# KiCad board TKEEB.kicad_pcb
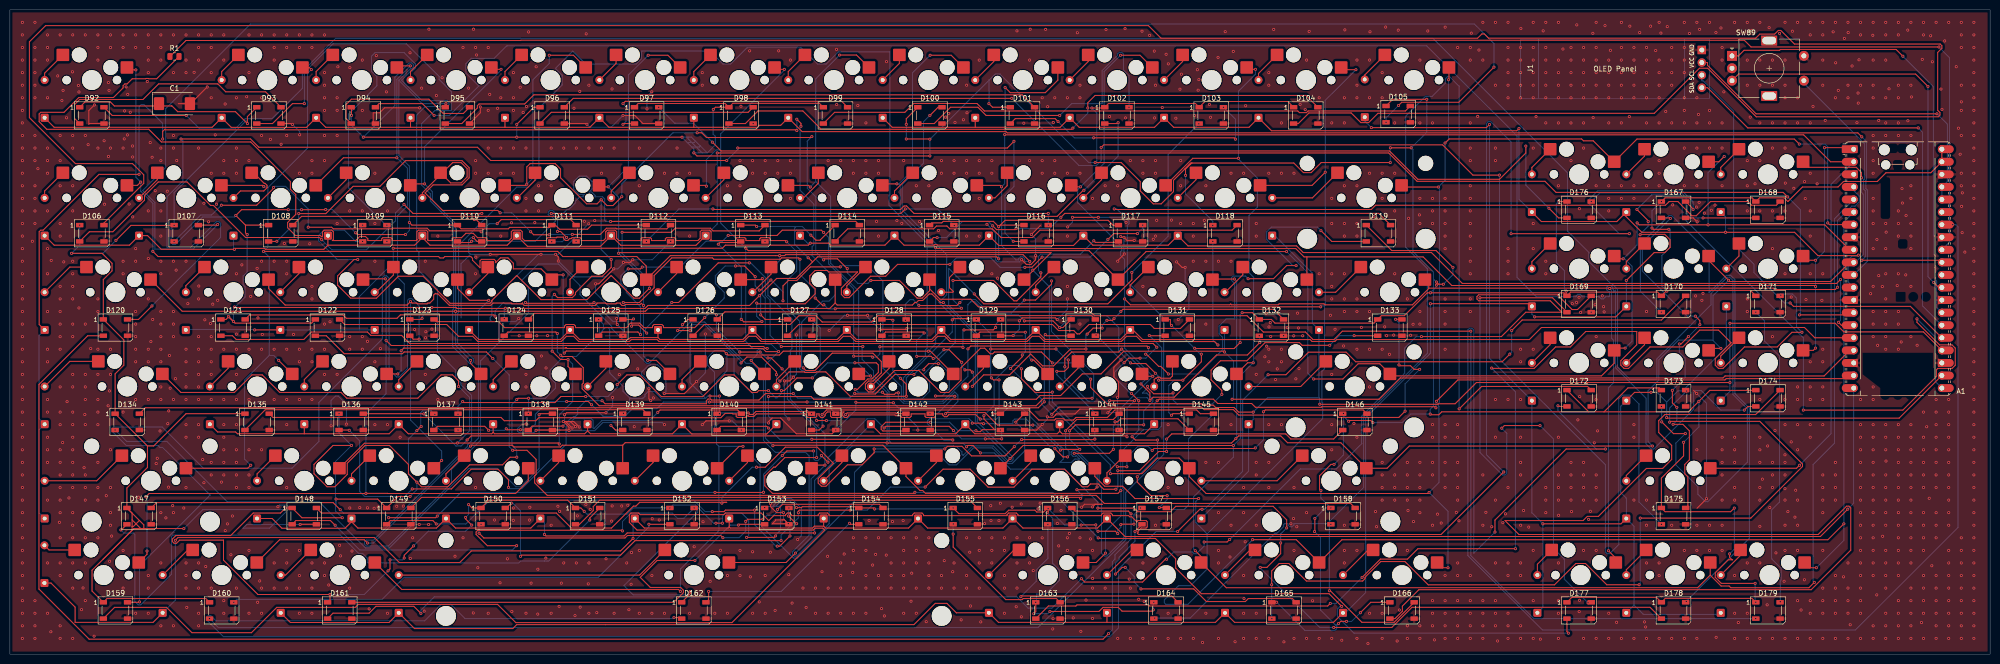
[diagram p0: board, top side]
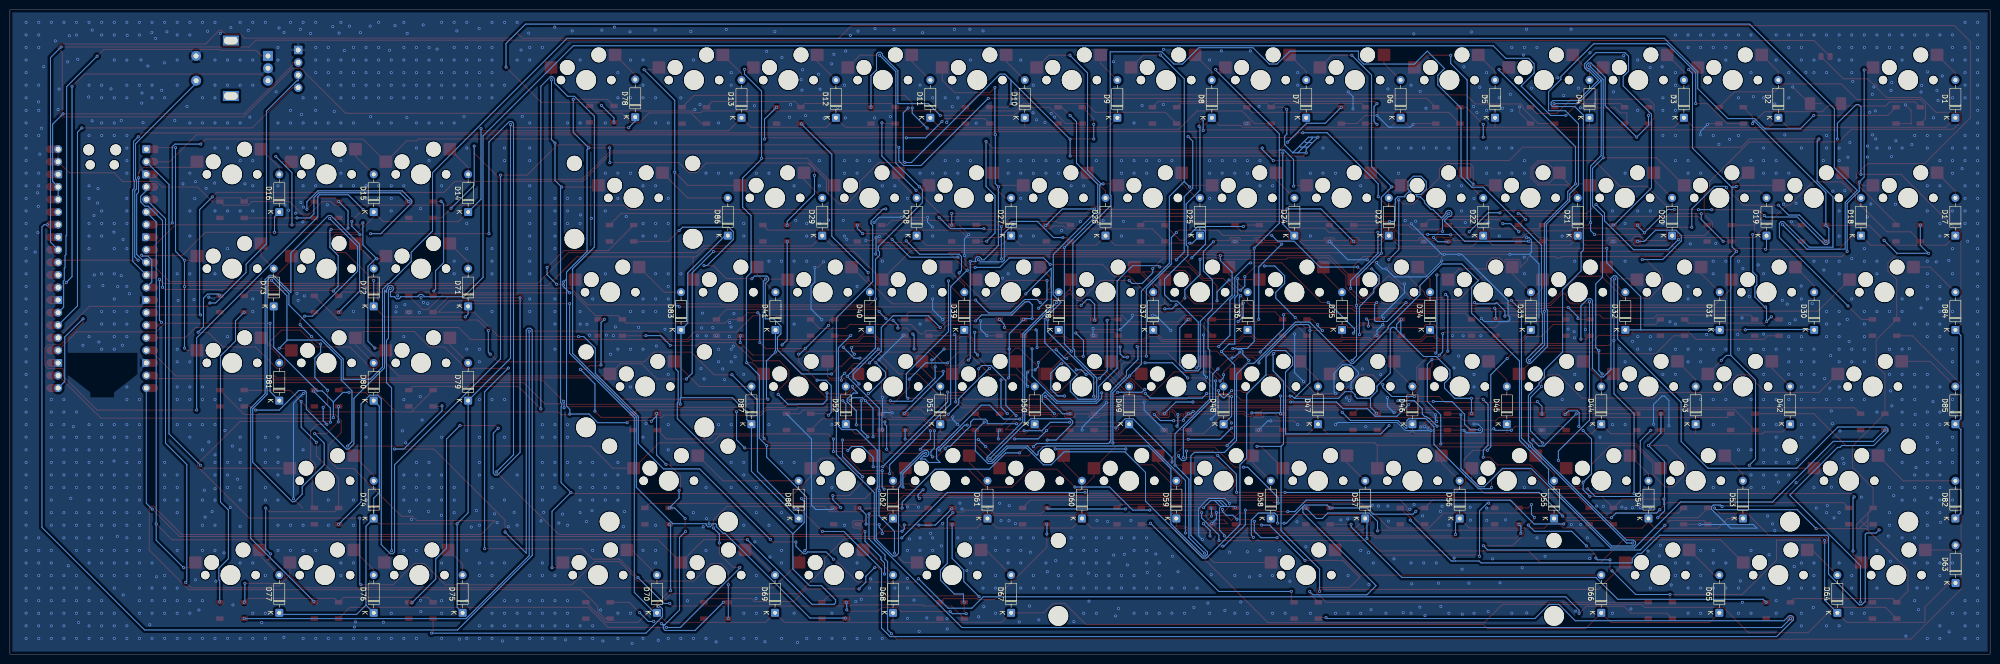
[diagram p1: board, bottom side, seen from below]

Outline 399.48 x 130.15 mm; copper layers: Top, Bottom. Coordinates in mm from the lower left corner of the outline.
Outline path: rectangle 0,130.15 399.48,0

## Placement (name value [footprint] x y rotation side)
A1  RaspberryPi_Pico  [RaspberryPi_Pico_Common_Unspecified]  380.86 77.88 0 top
C1  470uF  [CP_EIA-7343-31_Kemet-D]  33.2 111.21 0 top
D1  1N4148  [D_DO-35_SOD27_P7.62mm_Horizontal]  7 108.36 90 bottom
D2  1N4148  [D_DO-35_SOD27_P7.62mm_Horizontal]  42.72 108.36 90 bottom
D3  1N4148  [D_DO-35_SOD27_P7.62mm_Horizontal]  61.77 108.36 90 bottom
D4  1N4148  [D_DO-35_SOD27_P7.62mm_Horizontal]  80.82 108.36 90 bottom
D5  1N4148  [D_DO-35_SOD27_P7.62mm_Horizontal]  99.87 108.36 90 bottom
D6  1N4148  [D_DO-35_SOD27_P7.62mm_Horizontal]  118.92 108.36 90 bottom
D7  1N4148  [D_DO-35_SOD27_P7.62mm_Horizontal]  137.97 108.36 90 bottom
D8  1N4148  [D_DO-35_SOD27_P7.62mm_Horizontal]  157.02 108.36 90 bottom
D9  1N4148  [D_DO-35_SOD27_P7.62mm_Horizontal]  176.07 108.36 90 bottom
D10  1N4148  [D_DO-35_SOD27_P7.62mm_Horizontal]  194.74 108.36 90 bottom
D11  1N4148  [D_DO-35_SOD27_P7.62mm_Horizontal]  213.79 108.36 90 bottom
D12  1N4148  [D_DO-35_SOD27_P7.62mm_Horizontal]  232.84 108.36 90 bottom
D13  1N4148  [D_DO-35_SOD27_P7.62mm_Horizontal]  251.89 108.36 90 bottom
D14  1N4148  [D_DO-35_SOD27_P7.62mm_Horizontal]  307.04 89.31 90 bottom
D15  1N4148  [D_DO-35_SOD27_P7.62mm_Horizontal]  326.09 89.31 90 bottom
D16  1N4148  [D_DO-35_SOD27_P7.62mm_Horizontal]  345.14 89.31 90 bottom
D17  1N4148  [D_DO-35_SOD27_P7.62mm_Horizontal]  7 84.54 90 bottom
D18  1N4148  [D_DO-35_SOD27_P7.62mm_Horizontal]  26.05 84.54 90 bottom
D19  1N4148  [D_DO-35_SOD27_P7.62mm_Horizontal]  45.1 84.54 90 bottom
D20  1N4148  [D_DO-35_SOD27_P7.62mm_Horizontal]  64.15 84.54 90 bottom
D21  1N4148  [D_DO-35_SOD27_P7.62mm_Horizontal]  83.2 84.54 90 bottom
D22  1N4148  [D_DO-35_SOD27_P7.62mm_Horizontal]  102.25 84.54 90 bottom
D23  1N4148  [D_DO-35_SOD27_P7.62mm_Horizontal]  121.3 84.54 90 bottom
D24  1N4148  [D_DO-35_SOD27_P7.62mm_Horizontal]  140.35 84.54 90 bottom
D25  1N4148  [D_DO-35_SOD27_P7.62mm_Horizontal]  159.4 84.54 90 bottom
D26  1N4148  [D_DO-35_SOD27_P7.62mm_Horizontal]  178.45 84.54 90 bottom
D27  1N4148  [D_DO-35_SOD27_P7.62mm_Horizontal]  197.5 84.54 90 bottom
D28  1N4148  [D_DO-35_SOD27_P7.62mm_Horizontal]  216.55 84.54 90 bottom
D29  1N4148  [D_DO-35_SOD27_P7.62mm_Horizontal]  235.6 84.54 90 bottom
D30  1N4148  [D_DO-35_SOD27_P7.62mm_Horizontal]  35.49 65.49 90 bottom
D31  1N4148  [D_DO-35_SOD27_P7.62mm_Horizontal]  54.54 65.49 90 bottom
D32  1N4148  [D_DO-35_SOD27_P7.62mm_Horizontal]  73.59 65.49 90 bottom
D33  1N4148  [D_DO-35_SOD27_P7.62mm_Horizontal]  92.64 65.49 90 bottom
D34  1N4148  [D_DO-35_SOD27_P7.62mm_Horizontal]  112.99 65.49 90 bottom
D35  1N4148  [D_DO-35_SOD27_P7.62mm_Horizontal]  130.74 65.49 90 bottom
D36  1N4148  [D_DO-35_SOD27_P7.62mm_Horizontal]  149.79 65.49 90 bottom
D37  1N4148  [D_DO-35_SOD27_P7.62mm_Horizontal]  168.84 65.49 90 bottom
D38  1N4148  [D_DO-35_SOD27_P7.62mm_Horizontal]  187.89 65.49 90 bottom
D39  1N4148  [D_DO-35_SOD27_P7.62mm_Horizontal]  206.94 65.49 90 bottom
D40  1N4148  [D_DO-35_SOD27_P7.62mm_Horizontal]  225.99 65.49 90 bottom
D41  1N4148  [D_DO-35_SOD27_P7.62mm_Horizontal]  245.04 65.49 90 bottom
D42  1N4148  [D_DO-35_SOD27_P7.62mm_Horizontal]  40.34 46.44 90 bottom
D43  1N4148  [D_DO-35_SOD27_P7.62mm_Horizontal]  59.39 46.44 90 bottom
D44  1N4148  [D_DO-35_SOD27_P7.62mm_Horizontal]  78.44 46.44 90 bottom
D45  1N4148  [D_DO-35_SOD27_P7.62mm_Horizontal]  97.49 46.44 90 bottom
D46  1N4148  [D_DO-35_SOD27_P7.62mm_Horizontal]  116.54 46.44 90 bottom
D47  1N4148  [D_DO-35_SOD27_P7.62mm_Horizontal]  135.59 46.44 90 bottom
D48  1N4148  [D_DO-35_SOD27_P7.62mm_Horizontal]  154.64 46.44 90 bottom
D49  1N4148  [D_DO-35_SOD27_P7.62mm_Horizontal]  173.69 46.44 90 bottom
D50  1N4148  [D_DO-35_SOD27_P7.62mm_Horizontal]  192.74 46.44 90 bottom
D51  1N4148  [D_DO-35_SOD27_P7.62mm_Horizontal]  211.79 46.44 90 bottom
D52  1N4148  [D_DO-35_SOD27_P7.62mm_Horizontal]  230.84 46.44 90 bottom
D53  1N4148  [D_DO-35_SOD27_P7.62mm_Horizontal]  49.86 27.39 90 bottom
D54  1N4148  [D_DO-35_SOD27_P7.62mm_Horizontal]  68.91 27.39 90 bottom
D55  1N4148  [D_DO-35_SOD27_P7.62mm_Horizontal]  87.96 27.39 90 bottom
D56  1N4148  [D_DO-35_SOD27_P7.62mm_Horizontal]  107.01 27.39 90 bottom
D57  1N4148  [D_DO-35_SOD27_P7.62mm_Horizontal]  126.06 27.39 90 bottom
D58  1N4148  [D_DO-35_SOD27_P7.62mm_Horizontal]  145.11 27.39 90 bottom
D59  1N4148  [D_DO-35_SOD27_P7.62mm_Horizontal]  164.16 27.39 90 bottom
D60  1N4148  [D_DO-35_SOD27_P7.62mm_Horizontal]  183.21 27.39 90 bottom
D61  1N4148  [D_DO-35_SOD27_P7.62mm_Horizontal]  202.26 27.39 90 bottom
D62  1N4148  [D_DO-35_SOD27_P7.62mm_Horizontal]  221.31 27.39 90 bottom
D63  1N4148  [D_DO-35_SOD27_P7.62mm_Horizontal]  6.96 14.36 90 bottom
D64  1N4148  [D_DO-35_SOD27_P7.62mm_Horizontal]  30.81 8.34 90 bottom
D65  1N4148  [D_DO-35_SOD27_P7.62mm_Horizontal]  54.63 8.34 90 bottom
D66  1N4148  [D_DO-35_SOD27_P7.62mm_Horizontal]  78.44 8.34 90 bottom
D67  1N4148  [D_DO-35_SOD27_P7.62mm_Horizontal]  197.5 8.34 90 bottom
D68  1N4148  [D_DO-35_SOD27_P7.62mm_Horizontal]  221.31 8.34 90 bottom
D69  1N4148  [D_DO-35_SOD27_P7.62mm_Horizontal]  245.13 8.34 90 bottom
D70  1N4148  [D_DO-35_SOD27_P7.62mm_Horizontal]  268.94 8.34 90 bottom
D71  1N4148  [D_DO-35_SOD27_P7.62mm_Horizontal]  307.04 70.26 90 bottom
D72  1N4148  [D_DO-35_SOD27_P7.62mm_Horizontal]  326.09 70.26 90 bottom
D73  1N4148  [D_DO-35_SOD27_P7.62mm_Horizontal]  346.26 70.26 90 bottom
D74  1N4148  [D_DO-35_SOD27_P7.62mm_Horizontal]  326.09 27.39 90 bottom
D75  1N4148  [D_DO-35_SOD27_P7.62mm_Horizontal]  308.15 8.34 90 bottom
D76  1N4148  [D_DO-35_SOD27_P7.62mm_Horizontal]  326.09 8.34 90 bottom
D77  1N4148  [D_DO-35_SOD27_P7.62mm_Horizontal]  345.14 8.34 90 bottom
D78  1N4148  [D_DO-35_SOD27_P7.62mm_Horizontal]  273.32 108.48 90 bottom
D79  1N4148  [D_DO-35_SOD27_P7.62mm_Horizontal]  307.04 51.21 90 bottom
D80  1N4148  [D_DO-35_SOD27_P7.62mm_Horizontal]  326.09 51.21 90 bottom
D81  1N4148  [D_DO-35_SOD27_P7.62mm_Horizontal]  345.14 51.21 90 bottom
D82  1N4148  [D_DO-35_SOD27_P7.62mm_Horizontal]  7 27.39 90 bottom
D83  1N4148  [D_DO-35_SOD27_P7.62mm_Horizontal]  264.09 65.49 90 bottom
D84  1N4148  [D_DO-35_SOD27_P7.62mm_Horizontal]  7 65.49 90 bottom
D85  1N4148  [D_DO-35_SOD27_P7.62mm_Horizontal]  7 46.44 90 bottom
D86  1N4148  [D_DO-35_SOD27_P7.62mm_Horizontal]  254.65 84.54 90 bottom
D87  1N4148  [D_DO-35_SOD27_P7.62mm_Horizontal]  249.89 46.44 90 bottom
D88  1N4148  [D_DO-35_SOD27_P7.62mm_Horizontal]  240.36 27.39 90 bottom
D92  WS2812B  [LED_WS2812B_PLCC4_5.0x5.0mm_P3.2mm]  16.53 108.83 0 top
D93  WS2812B  [LED_WS2812B_PLCC4_5.0x5.0mm_P3.2mm]  52.24 108.83 0 top
D94  WS2812B  [LED_WS2812B_PLCC4_5.0x5.0mm_P3.2mm]  71.29 108.83 0 top
D95  WS2812B  [LED_WS2812B_PLCC4_5.0x5.0mm_P3.2mm]  90.28 108.83 0 top
D96  WS2812B  [LED_WS2812B_PLCC4_5.0x5.0mm_P3.2mm]  109.4 108.83 0 top
D97  WS2812B  [LED_WS2812B_PLCC4_5.0x5.0mm_P3.2mm]  128.44 108.83 0 top
D98  WS2812B  [LED_WS2812B_PLCC4_5.0x5.0mm_P3.2mm]  147.5 108.83 0 top
D99  WS2812B  [LED_WS2812B_PLCC4_5.0x5.0mm_P3.2mm]  166.54 108.83 0 top
D100  WS2812B  [LED_WS2812B_PLCC4_5.0x5.0mm_P3.2mm]  185.59 108.83 0 top
D101  WS2812B  [LED_WS2812B_PLCC4_5.0x5.0mm_P3.2mm]  204.27 108.83 0 top
D102  WS2812B  [LED_WS2812B_PLCC4_5.0x5.0mm_P3.2mm]  223.32 108.83 0 top
D103  WS2812B  [LED_WS2812B_PLCC4_5.0x5.0mm_P3.2mm]  242.37 108.83 0 top
D104  WS2812B  [LED_WS2812B_PLCC4_5.0x5.0mm_P3.2mm]  261.42 108.83 0 top
D105  WS2812B  [LED_WS2812B_PLCC4_5.0x5.0mm_P3.2mm]  280.07 109.09 0 top
D106  WS2812B  [LED_WS2812B_PLCC4_5.0x5.0mm_P3.2mm]  16.53 85.02 0 top
D107  WS2812B  [LED_WS2812B_PLCC4_5.0x5.0mm_P3.2mm]  35.58 85.02 0 top
D108  WS2812B  [LED_WS2812B_PLCC4_5.0x5.0mm_P3.2mm]  54.63 85.02 0 top
D109  WS2812B  [LED_WS2812B_PLCC4_5.0x5.0mm_P3.2mm]  73.61 85.02 0 top
D110  WS2812B  [LED_WS2812B_PLCC4_5.0x5.0mm_P3.2mm]  92.73 85.02 0 top
D111  WS2812B  [LED_WS2812B_PLCC4_5.0x5.0mm_P3.2mm]  111.78 85.02 0 top
D112  WS2812B  [LED_WS2812B_PLCC4_5.0x5.0mm_P3.2mm]  130.83 85.02 0 top
D113  WS2812B  [LED_WS2812B_PLCC4_5.0x5.0mm_P3.2mm]  149.88 85.02 0 top
D114  WS2812B  [LED_WS2812B_PLCC4_5.0x5.0mm_P3.2mm]  168.93 85.02 0 top
D115  WS2812B  [LED_WS2812B_PLCC4_5.0x5.0mm_P3.2mm]  187.98 85.02 0 top
D116  WS2812B  [LED_WS2812B_PLCC4_5.0x5.0mm_P3.2mm]  207.03 85.02 0 top
D117  WS2812B  [LED_WS2812B_PLCC4_5.0x5.0mm_P3.2mm]  226.08 85.02 0 top
D118  WS2812B  [LED_WS2812B_PLCC4_5.0x5.0mm_P3.2mm]  245.13 85.02 0 top
D119  WS2812B  [LED_WS2812B_PLCC4_5.0x5.0mm_P3.2mm]  276.08 85.02 0 top
D120  WS2812B  [LED_WS2812B_PLCC4_5.0x5.0mm_P3.2mm]  21.29 65.97 0 top
D121  WS2812B  [LED_WS2812B_PLCC4_5.0x5.0mm_P3.2mm]  45.02 65.97 0 top
D122  WS2812B  [LED_WS2812B_PLCC4_5.0x5.0mm_P3.2mm]  64.07 65.97 0 top
D123  WS2812B  [LED_WS2812B_PLCC4_5.0x5.0mm_P3.2mm]  83.12 65.97 0 top
D124  WS2812B  [LED_WS2812B_PLCC4_5.0x5.0mm_P3.2mm]  102.17 65.97 0 top
D125  WS2812B  [LED_WS2812B_PLCC4_5.0x5.0mm_P3.2mm]  121.22 65.97 0 top
D126  WS2812B  [LED_WS2812B_PLCC4_5.0x5.0mm_P3.2mm]  140.27 65.97 0 top
D127  WS2812B  [LED_WS2812B_PLCC4_5.0x5.0mm_P3.2mm]  159.32 65.97 0 top
D128  WS2812B  [LED_WS2812B_PLCC4_5.0x5.0mm_P3.2mm]  178.37 65.97 0 top
D129  WS2812B  [LED_WS2812B_PLCC4_5.0x5.0mm_P3.2mm]  197.42 65.97 0 top
D130  WS2812B  [LED_WS2812B_PLCC4_5.0x5.0mm_P3.2mm]  216.53 65.97 0 top
D131  WS2812B  [LED_WS2812B_PLCC4_5.0x5.0mm_P3.2mm]  235.52 65.97 0 top
D132  WS2812B  [LED_WS2812B_PLCC4_5.0x5.0mm_P3.2mm]  254.5 65.97 0 top
D133  WS2812B  [LED_WS2812B_PLCC4_5.0x5.0mm_P3.2mm]  278.38 65.97 0 top
D134  WS2812B  [LED_WS2812B_PLCC4_5.0x5.0mm_P3.2mm]  23.67 46.92 0 top
D135  WS2812B  [LED_WS2812B_PLCC4_5.0x5.0mm_P3.2mm]  49.86 46.92 0 top
D136  WS2812B  [LED_WS2812B_PLCC4_5.0x5.0mm_P3.2mm]  68.84 46.92 0 top
D137  WS2812B  [LED_WS2812B_PLCC4_5.0x5.0mm_P3.2mm]  87.96 46.92 0 top
D138  WS2812B  [LED_WS2812B_PLCC4_5.0x5.0mm_P3.2mm]  107.01 46.92 0 top
D139  WS2812B  [LED_WS2812B_PLCC4_5.0x5.0mm_P3.2mm]  126.06 46.92 0 top
D140  WS2812B  [LED_WS2812B_PLCC4_5.0x5.0mm_P3.2mm]  145.11 46.92 0 top
D141  WS2812B  [LED_WS2812B_PLCC4_5.0x5.0mm_P3.2mm]  164.16 46.92 0 top
D142  WS2812B  [LED_WS2812B_PLCC4_5.0x5.0mm_P3.2mm]  183.21 46.92 0 top
D143  WS2812B  [LED_WS2812B_PLCC4_5.0x5.0mm_P3.2mm]  202.26 46.92 0 top
D144  WS2812B  [LED_WS2812B_PLCC4_5.0x5.0mm_P3.2mm]  221.31 46.92 0 top
D145  WS2812B  [LED_WS2812B_PLCC4_5.0x5.0mm_P3.2mm]  240.36 46.92 0 top
D146  WS2812B  [LED_WS2812B_PLCC4_5.0x5.0mm_P3.2mm]  271.32 46.92 0 top
D147  WS2812B  [LED_WS2812B_PLCC4_5.0x5.0mm_P3.2mm]  26.05 27.87 0 top
D148  WS2812B  [LED_WS2812B_PLCC4_5.0x5.0mm_P3.2mm]  59.39 27.87 0 top
D149  WS2812B  [LED_WS2812B_PLCC4_5.0x5.0mm_P3.2mm]  78.44 27.87 0 top
D150  WS2812B  [LED_WS2812B_PLCC4_5.0x5.0mm_P3.2mm]  97.49 27.87 0 top
D151  WS2812B  [LED_WS2812B_PLCC4_5.0x5.0mm_P3.2mm]  116.54 27.87 0 top
D152  WS2812B  [LED_WS2812B_PLCC4_5.0x5.0mm_P3.2mm]  135.59 27.87 0 top
D153  WS2812B  [LED_WS2812B_PLCC4_5.0x5.0mm_P3.2mm]  154.71 27.87 0 top
D154  WS2812B  [LED_WS2812B_PLCC4_5.0x5.0mm_P3.2mm]  173.69 27.87 0 top
D155  WS2812B  [LED_WS2812B_PLCC4_5.0x5.0mm_P3.2mm]  192.74 27.87 0 top
D156  WS2812B  [LED_WS2812B_PLCC4_5.0x5.0mm_P3.2mm]  211.79 27.87 0 top
D157  WS2812B  [LED_WS2812B_PLCC4_5.0x5.0mm_P3.2mm]  230.84 27.87 0 top
D158  WS2812B  [LED_WS2812B_PLCC4_5.0x5.0mm_P3.2mm]  268.94 27.87 0 top
D159  WS2812B  [LED_WS2812B_PLCC4_5.0x5.0mm_P3.2mm]  21.29 8.82 0 top
D160  WS2812B  [LED_WS2812B_PLCC4_5.0x5.0mm_P3.2mm]  42.72 8.82 0 top
D161  WS2812B  [LED_WS2812B_PLCC4_5.0x5.0mm_P3.2mm]  66.53 8.82 0 top
D162  WS2812B  [LED_WS2812B_PLCC4_5.0x5.0mm_P3.2mm]  137.97 8.82 0 top
D163  WS2812B  [LED_WS2812B_PLCC4_5.0x5.0mm_P3.2mm]  209.41 8.82 0 top
D164  WS2812B  [LED_WS2812B_PLCC4_5.0x5.0mm_P3.2mm]  233.22 8.82 0 top
D165  WS2812B  [LED_WS2812B_PLCC4_5.0x5.0mm_P3.2mm]  257.03 8.82 0 top
D166  WS2812B  [LED_WS2812B_PLCC4_5.0x5.0mm_P3.2mm]  280.84 8.82 0 top
D167  WS2812B  [LED_WS2812B_PLCC4_5.0x5.0mm_P3.2mm]  335.61 89.78 0 top
D168  WS2812B  [LED_WS2812B_PLCC4_5.0x5.0mm_P3.2mm]  354.66 89.78 0 top
D169  WS2812B  [LED_WS2812B_PLCC4_5.0x5.0mm_P3.2mm]  316.56 70.73 0 top
D170  WS2812B  [LED_WS2812B_PLCC4_5.0x5.0mm_P3.2mm]  335.61 70.73 0 top
D171  WS2812B  [LED_WS2812B_PLCC4_5.0x5.0mm_P3.2mm]  354.66 70.73 0 top
D172  WS2812B  [LED_WS2812B_PLCC4_5.0x5.0mm_P3.2mm]  316.56 51.68 0 top
D173  WS2812B  [LED_WS2812B_PLCC4_5.0x5.0mm_P3.2mm]  335.61 51.68 0 top
D174  WS2812B  [LED_WS2812B_PLCC4_5.0x5.0mm_P3.2mm]  354.66 51.68 0 top
D175  WS2812B  [LED_WS2812B_PLCC4_5.0x5.0mm_P3.2mm]  335.61 27.87 0 top
D176  WS2812B  [LED_WS2812B_PLCC4_5.0x5.0mm_P3.2mm]  316.56 89.78 0 top
D177  WS2812B  [LED_WS2812B_PLCC4_5.0x5.0mm_P3.2mm]  316.56 8.82 0 top
D178  WS2812B  [LED_WS2812B_PLCC4_5.0x5.0mm_P3.2mm]  335.61 8.82 0 top
D179  WS2812B  [LED_WS2812B_PLCC4_5.0x5.0mm_P3.2mm]  354.66 8.82 0 top
J1  Conn_01x04_Pin  [SSD1306-0.91-OLED-4pin-128x32]  304.82 124.24 0 top
R1  470Ω  [R_0805_2012Metric]  33.2 120.74 0 top
SW1  SW_Push  [MX-Hotswap-1U]  16.53 115.98 0 top
SW2  SW_Push  [MX-Hotswap-1U]  51.93 115.98 0 top
SW3  SW_Push  [MX-Hotswap-1U]  70.98 115.98 0 top
SW4  SW_Push  [MX-Hotswap-1U]  90.03 115.98 0 top
SW5  SW_Push  [MX-Hotswap-1U]  109.08 115.98 0 top
SW6  SW_Push  [MX-Hotswap-1U]  128.13 115.98 0 top
SW7  SW_Push  [MX-Hotswap-1U]  147.18 115.98 0 top
SW8  SW_Push  [MX-Hotswap-1U]  166.23 115.98 0 top
SW9  SW_Push  [MX-Hotswap-1U]  185.28 115.98 0 top
SW10  SW_Push  [MX-Hotswap-1U]  204.33 115.98 0 top
SW11  SW_Push  [MX-Hotswap-1U]  223.38 115.98 0 top
SW12  SW_Push  [MX-Hotswap-1U]  242.43 115.98 0 top
SW13  SW_Push  [MX-Hotswap-1U]  261.48 115.98 0 top
SW14  SW_Push  [MX-Hotswap-1U]  316.56 96.93 0 top
SW15  SW_Push  [MX-Hotswap-1U]  335.61 96.93 0 top
SW16  SW_Push  [MX-Hotswap-1U]  354.66 96.93 0 top
SW17  SW_Push  [MX-Hotswap-1U]  16.53 92.16 0 top
SW18  SW_Push  [MX-Hotswap-1U]  35.58 92.16 0 top
SW19  SW_Push  [MX-Hotswap-1U]  54.63 92.16 0 top
SW20  SW_Push  [MX-Hotswap-1U]  73.68 92.16 0 top
SW21  SW_Push  [MX-Hotswap-1U]  92.73 92.16 0 top
SW22  SW_Push  [MX-Hotswap-1U]  111.78 92.16 0 top
SW23  SW_Push  [MX-Hotswap-1U]  130.83 92.16 0 top
SW24  SW_Push  [MX-Hotswap-1U]  149.88 92.16 0 top
SW25  SW_Push  [MX-Hotswap-1U]  168.93 92.16 0 top
SW26  SW_Push  [MX-Hotswap-1U]  187.98 92.16 0 top
SW27  SW_Push  [MX-Hotswap-1U]  207.03 92.16 0 top
SW28  SW_Push  [MX-Hotswap-1U]  226.08 92.16 0 top
SW29  SW_Push  [MX-Hotswap-1U]  245.13 92.16 0 top
SW30  SW_Push  [MX-Hotswap-1U]  45.1 73.11 0 top
SW31  SW_Push  [MX-Hotswap-1U]  64.15 73.11 0 top
SW32  SW_Push  [MX-Hotswap-1U]  83.2 73.11 0 top
SW33  SW_Push  [MX-Hotswap-1U]  102.25 73.11 0 top
SW34  SW_Push  [MX-Hotswap-1U]  121.3 73.11 0 top
SW35  SW_Push  [MX-Hotswap-1U]  140.35 73.11 0 top
SW36  SW_Push  [MX-Hotswap-1U]  159.4 73.11 0 top
SW37  SW_Push  [MX-Hotswap-1U]  178.45 73.11 0 top
SW38  SW_Push  [MX-Hotswap-1U]  197.5 73.11 0 top
SW39  SW_Push  [MX-Hotswap-1U]  216.47 73.11 0 top
SW40  SW_Push  [MX-Hotswap-1U]  235.52 73.11 0 top
SW41  SW_Push  [MX-Hotswap-1U]  254.57 73.11 0 top
SW42  SW_Push  [MX-Hotswap-1U]  49.86 54.06 0 top
SW43  SW_Push  [MX-Hotswap-1U]  68.91 54.06 0 top
SW44  SW_Push  [MX-Hotswap-1U]  87.96 54.06 0 top
SW45  SW_Push  [MX-Hotswap-1U]  107.01 54.06 0 top
SW46  SW_Push  [MX-Hotswap-1U]  126.06 54.06 0 top
SW47  SW_Push  [MX-Hotswap-1U]  145.11 54.06 0 top
SW48  SW_Push  [MX-Hotswap-1U]  164.16 54.06 0 top
SW49  SW_Push  [MX-Hotswap-1U]  183.21 54.06 0 top
SW50  SW_Push  [MX-Hotswap-1U]  202.26 54.06 0 top
SW51  SW_Push  [MX-Hotswap-1U]  221.31 54.06 0 top
SW52  SW_Push  [MX-Hotswap-1U]  240.36 54.06 0 top
SW53  SW_Push  [MX-Hotswap-1U]  59.39 35.01 0 top
SW54  SW_Push  [MX-Hotswap-1U]  78.44 35.01 0 top
SW55  SW_Push  [MX-Hotswap-1U]  97.49 35.01 0 top
SW56  SW_Push  [MX-Hotswap-1U]  116.54 35.01 0 top
SW57  SW_Push  [MX-Hotswap-1U]  135.59 35.01 0 top
SW58  SW_Push  [MX-Hotswap-1U]  154.64 35.01 0 top
SW59  SW_Push  [MX-Hotswap-1U]  173.69 35.01 0 top
SW60  SW_Push  [MX-Hotswap-1U]  192.74 35.01 0 top
SW61  SW_Push  [MX-Hotswap-1U]  211.79 35.01 0 top
SW62  SW_Push  [MX-Hotswap-1U]  230.84 35.01 0 top
SW63  SW_Push  [MX-Hotswap-1.25U]  18.91 15.96 0 top
SW64  SW_Push  [MX-Hotswap-1.25U]  42.72 15.96 0 top
SW65  SW_Push  [MX-Hotswap-1.25U]  66.53 15.96 0 top
SW66  SW_Push  [MX-Hotswap-6.25U]  137.97 15.96 0 top
SW67  SW_Push  [MX-Hotswap-1.25U]  209.41 15.96 0 top
SW68  SW_Push  [MX-Hotswap-1.25U]  233.22 15.96 0 top
SW69  SW_Push  [MX-Hotswap-1.25U]  257.03 15.96 0 top
SW70  SW_Push  [MX-Hotswap-1.25U]  280.84 15.96 0 top
SW71  SW_Push  [MX-Hotswap-1U]  316.56 77.88 0 top
SW72  SW_Push  [MX-Hotswap-1U]  335.61 77.88 0 top
SW73  SW_Push  [MX-Hotswap-1U]  354.66 77.88 0 top
SW74  SW_Push  [MX-Hotswap-1U]  335.93 35.01 0 top
SW75  SW_Push  [MX-Hotswap-1U]  316.88 15.96 0 top
SW76  SW_Push  [MX-Hotswap-1U]  335.93 15.96 0 top
SW77  SW_Push  [MX-Hotswap-1U]  354.98 15.96 0 top
SW78  SW_Push  [MX-Hotswap-1U]  283.23 115.98 0 top
SW79  SW_Push  [MX-Hotswap-1U]  316.56 58.83 0 top
SW80  SW_Push  [MX-Hotswap-1U]  335.61 58.83 0 top
SW81  SW_Push  [MX-Hotswap-1U]  354.66 58.83 0 top
SW82  SW_Push  [MX-Hotswap-2.25U]  28.43 35.01 0 top
SW83  SW_Push  [MX-Hotswap-1.5U]  278.38 73.11 0 top
SW84  SW_Push  [MX-Hotswap-1.5U]  21.29 73.11 0 top
SW85  SW_Push  [MX-Hotswap-1.75U]  23.67 54.06 0 top
SW86  SW_Push  [MX-Hotswap-2U]  273.67 92.16 0 top
SW87  SW_Push  [MX-Hotswap-2.25U]  271.32 54.06 0 top
SW88  SW_Push  [MX-Hotswap-2.75U]  266.56 35.01 0 top
SW89  RotaryEncoder_Switch  [RotaryEncoder_Alps_EC11E-Switch_Vertical_H20mm]  347.41 120.86 0 top

## Library data of the parts
A1 = -: Datasheet: https://datasheets.raspberrypi.com/pico/pico-datasheet.pdf; Description: Versatile and inexpensive microcontroller module powered by RP2040 dual-core Arm Cortex-M0+ processor up to 133 MHz, 264kB SRAM, 2MB QSPI flash; also supports Raspberry Pi Pico 2; ki_fp_filters: RaspberryPi?Pico?Common* RaspberryPi?Pico?SMD*
C1 = -: Description: Unpolarized capacitor; ki_fp_filters: C_*
D1-D88 = -: Datasheet: https://assets.nexperia.com/documents/data-sheet/1N4148_1N4448.pdf; Description: 100V 0.15A standard switching diode, DO-35; Sim.Device: D; Sim.Pins: 1=K 2=A; ki_fp_filters: D*DO?35*
D92-D179 = -: Datasheet: https://cdn-shop.adafruit.com/datasheets/WS2812.pdf; Description: RGB LED with integrated controller; ki_fp_filters: LED*WS2812*PLCC*5.0x5.0mm*P3.2mm*
J1 = -: Description: Generic connector, single row, 01x04, script generated; ki_fp_filters: Connector*:*_1x??_*
R1 = -: Description: Resistor; ki_fp_filters: R_*
SW1-SW88 = -: Description: Push button switch, generic, two pins
SW89 = -: Description: Rotary encoder, dual channel, incremental quadrate outputs, with switch; ki_fp_filters: RotaryEncoder*Switch*

## Footprints (pads in the part's own frame, mm; a bottom-side part is the same pattern mirrored in y, then rotated)
CP_EIA-7343-31_Kemet-D
  rrect 2.07x2.59 smd: 1(-3.12,0) 2(3.12,0)
D_DO-35_SOD27_P7.62mm_Horizontal
  rrect 1.6x1.6 hole 0.8: 1(0,0)
  round 1.6 hole 0.8: 2(7.62,0)
LED_WS2812B_PLCC4_5.0x5.0mm_P3.2mm
  rrect 1.5x0.9 smd: 1(-2.45,1.65) 2(-2.45,-1.65) 3(2.45,-1.65) 4(2.45,1.65)
MX-Hotswap-1.5U
  round 1.702 hole 1.702 unplated: (-5.08,0) (5.08,0)
  round 3 hole 3 unplated: (-2.54,5.08) (3.81,2.54)
  round 3.988 hole 3.988 unplated: (0,0)
  rrect 2.55x2.5 smd: 1(7.085,2.54) 2(-5.842,5.08)
MX-Hotswap-1.25U
  round 1.702 hole 1.702 unplated: (-5.08,0) (5.08,0)
  round 3 hole 3 unplated: (-2.54,5.08) (3.81,2.54)
  round 3.988 hole 3.988 unplated: (0,0)
  rrect 2.55x2.5 smd: 1(7.085,2.54) 2(-5.842,5.08)
MX-Hotswap-1.75U
  round 1.702 hole 1.702 unplated: (-5.08,0) (5.08,0)
  round 3 hole 3 unplated: (-2.54,5.08) (3.81,2.54)
  round 3.988 hole 3.988 unplated: (0,0)
  rrect 2.55x2.5 smd: 1(7.085,2.54) 2(-5.842,5.08)
MX-Hotswap-1U
  round 1.702 hole 1.702 unplated: (-5.08,0) (5.08,0)
  round 3 hole 3 unplated: (-2.54,5.08) (3.81,2.54)
  round 3.988 hole 3.988 unplated: (0,0)
  rrect 2.55x2.5 smd: 1(7.085,2.54) 2(-5.842,5.08)
MX-Hotswap-2.25U
  round 3.048 hole 3.048 unplated: (-11.938,6.985) (11.938,6.985)
  round 3.988 hole 3.988 unplated: (-11.938,-8.255) (0,0) (11.938,-8.255)
  round 1.702 hole 1.702 unplated: (-5.08,0) (5.08,0)
  round 3 hole 3 unplated: (-2.54,5.08) (3.81,2.54)
  rrect 2.55x2.5 smd: 1(7.085,2.54) 2(-5.842,5.08)
MX-Hotswap-2.75U
  round 3.048 hole 3.048 unplated: (-11.938,6.985) (11.938,6.985)
  round 3.988 hole 3.988 unplated: (-11.938,-8.255) (0,0) (11.938,-8.255)
  round 1.702 hole 1.702 unplated: (-5.08,0) (5.08,0)
  round 3 hole 3 unplated: (-2.54,5.08) (3.81,2.54)
  rrect 2.55x2.5 smd: 1(7.085,2.54) 2(-5.842,5.08)
MX-Hotswap-2U
  round 3.048 hole 3.048 unplated: (-11.938,6.985) (11.938,6.985)
  round 3.988 hole 3.988 unplated: (-11.938,-8.255) (0,0) (11.938,-8.255)
  round 1.702 hole 1.702 unplated: (-5.08,0) (5.08,0)
  round 3 hole 3 unplated: (-2.54,5.08) (3.81,2.54)
  rrect 2.55x2.5 smd: 1(7.085,2.54) 2(-5.842,5.08)
MX-Hotswap-6.25U
  round 3.048 hole 3.048 unplated: (-50,6.985) (50,6.985)
  round 3.988 hole 3.988 unplated: (-50,-8.255) (0,0) (50,-8.255)
  round 1.702 hole 1.702 unplated: (-5.08,0) (5.08,0)
  round 3 hole 3 unplated: (-2.54,5.08) (3.81,2.54)
  rrect 2.55x2.5 smd: 1(7.085,2.54) 2(-5.842,5.08)
R_0805_2012Metric
  rrect 1.025x1.4 smd: 1(-0.912,0) 2(0.912,0)
RaspberryPi_Pico_Common_Unspecified
  round 2.2 hole 2.2 unplated: (-2.725,24) (2.725,24)
  round 1.85 hole 1.85 unplated: (-2.425,20.97) (2.425,20.97)
  custom 3.2x1.6 smd: 1(-9.69,24.13) 3(-9.69,19.05) 8(-9.69,6.35) 13(-9.69,-6.35) 18(-9.69,-19.05) 23(9.69,-19.05) 28(9.69,-6.35) 33(9.69,6.35) 38(9.69,19.05)
  rrect 1.6x1.6 hole 1: 1(-8.89,24.13)
  rrect 3.2x1.6 smd: 2(-9.69,21.59) 4(-9.69,16.51) 5(-9.69,13.97) 6(-9.69,11.43) 7(-9.69,8.89) 9(-9.69,3.81) 10(-9.69,1.27) 11(-9.69,-1.27) 12(-9.69,-3.81) 14(-9.69,-8.89) 15(-9.69,-11.43) 16(-9.69,-13.97) 17(-9.69,-16.51) 19(-9.69,-21.59) 20(-9.69,-24.13) 21(9.69,-24.13) 22(9.69,-21.59) 24(9.69,-16.51) 25(9.69,-13.97) 26(9.69,-11.43) 27(9.69,-8.89) 29(9.69,-3.81) 30(9.69,-1.27) 31(9.69,1.27) 32(9.69,3.81) 34(9.69,8.89) 35(9.69,11.43) 36(9.69,13.97) 37(9.69,16.51) 39(9.69,21.59) 40(9.69,24.13)
  round 1.6 hole 1: 2(-8.89,21.59) 4(-8.89,16.51) 5(-8.89,13.97) 6(-8.89,11.43) 7(-8.89,8.89) 9(-8.89,3.81) 10(-8.89,1.27) 11(-8.89,-1.27) 12(-8.89,-3.81) 14(-8.89,-8.89) 15(-8.89,-11.43) 16(-8.89,-13.97) 17(-8.89,-16.51) 19(-8.89,-21.59) 20(-8.89,-24.13) 21(8.89,-24.13) 22(8.89,-21.59) 24(8.89,-16.51) 25(8.89,-13.97) 26(8.89,-11.43) 27(8.89,-8.89) 29(8.89,-3.81) 30(8.89,-1.27) 31(8.89,1.27) 32(8.89,3.81) 34(8.89,8.89) 35(8.89,11.43) 36(8.89,13.97) 37(8.89,16.51) 39(8.89,21.59) 40(8.89,24.13)
  custom 1.6x1.6 hole 1: 3(-8.89,19.05) 8(-8.89,6.35) 13(-8.89,-6.35) 18(-8.89,-19.05) 23(8.89,-19.05) 28(8.89,-6.35) 33(8.89,6.35) 38(8.89,19.05)
RotaryEncoder_Alps_EC11E-Switch_Vertical_H20mm
  rect 2x2 hole 1: A(0,0)
  round 2 hole 1: B(0,-5) C(0,-2.5) S1(14.5,-5) S2(14.5,0)
  rect 3.2x2 hole 2.8x1.5: MP(7.5,3.1) MP(7.5,-8.1)
SSD1306-0.91-OLED-4pin-128x32
  rect 1.7x1.7 hole 1: 1(36.5,-2.19)
  oval 1.7x1.7 hole 1: 2(36.5,-4.73) 3(36.5,-7.27) 4(36.5,-9.81)
